# Altium PCB HYDRA_V3_NAV_CRIPPLED.PcbDoc (part 2 of 2)
Units mm, origin at the board's own origin, x right, y up, seen from the top; angles counter-clockwise.
Board outline 50 x 45 mm, 6 copper layers (Top Layer, GND 1, INT_SIG, GND 2, PWR, Bottom Layer), stack 0.816 mm thick; 161 components, 106 nets, 668 pads, 168 vias.
Unrouted connection lines stored in the file: 22.
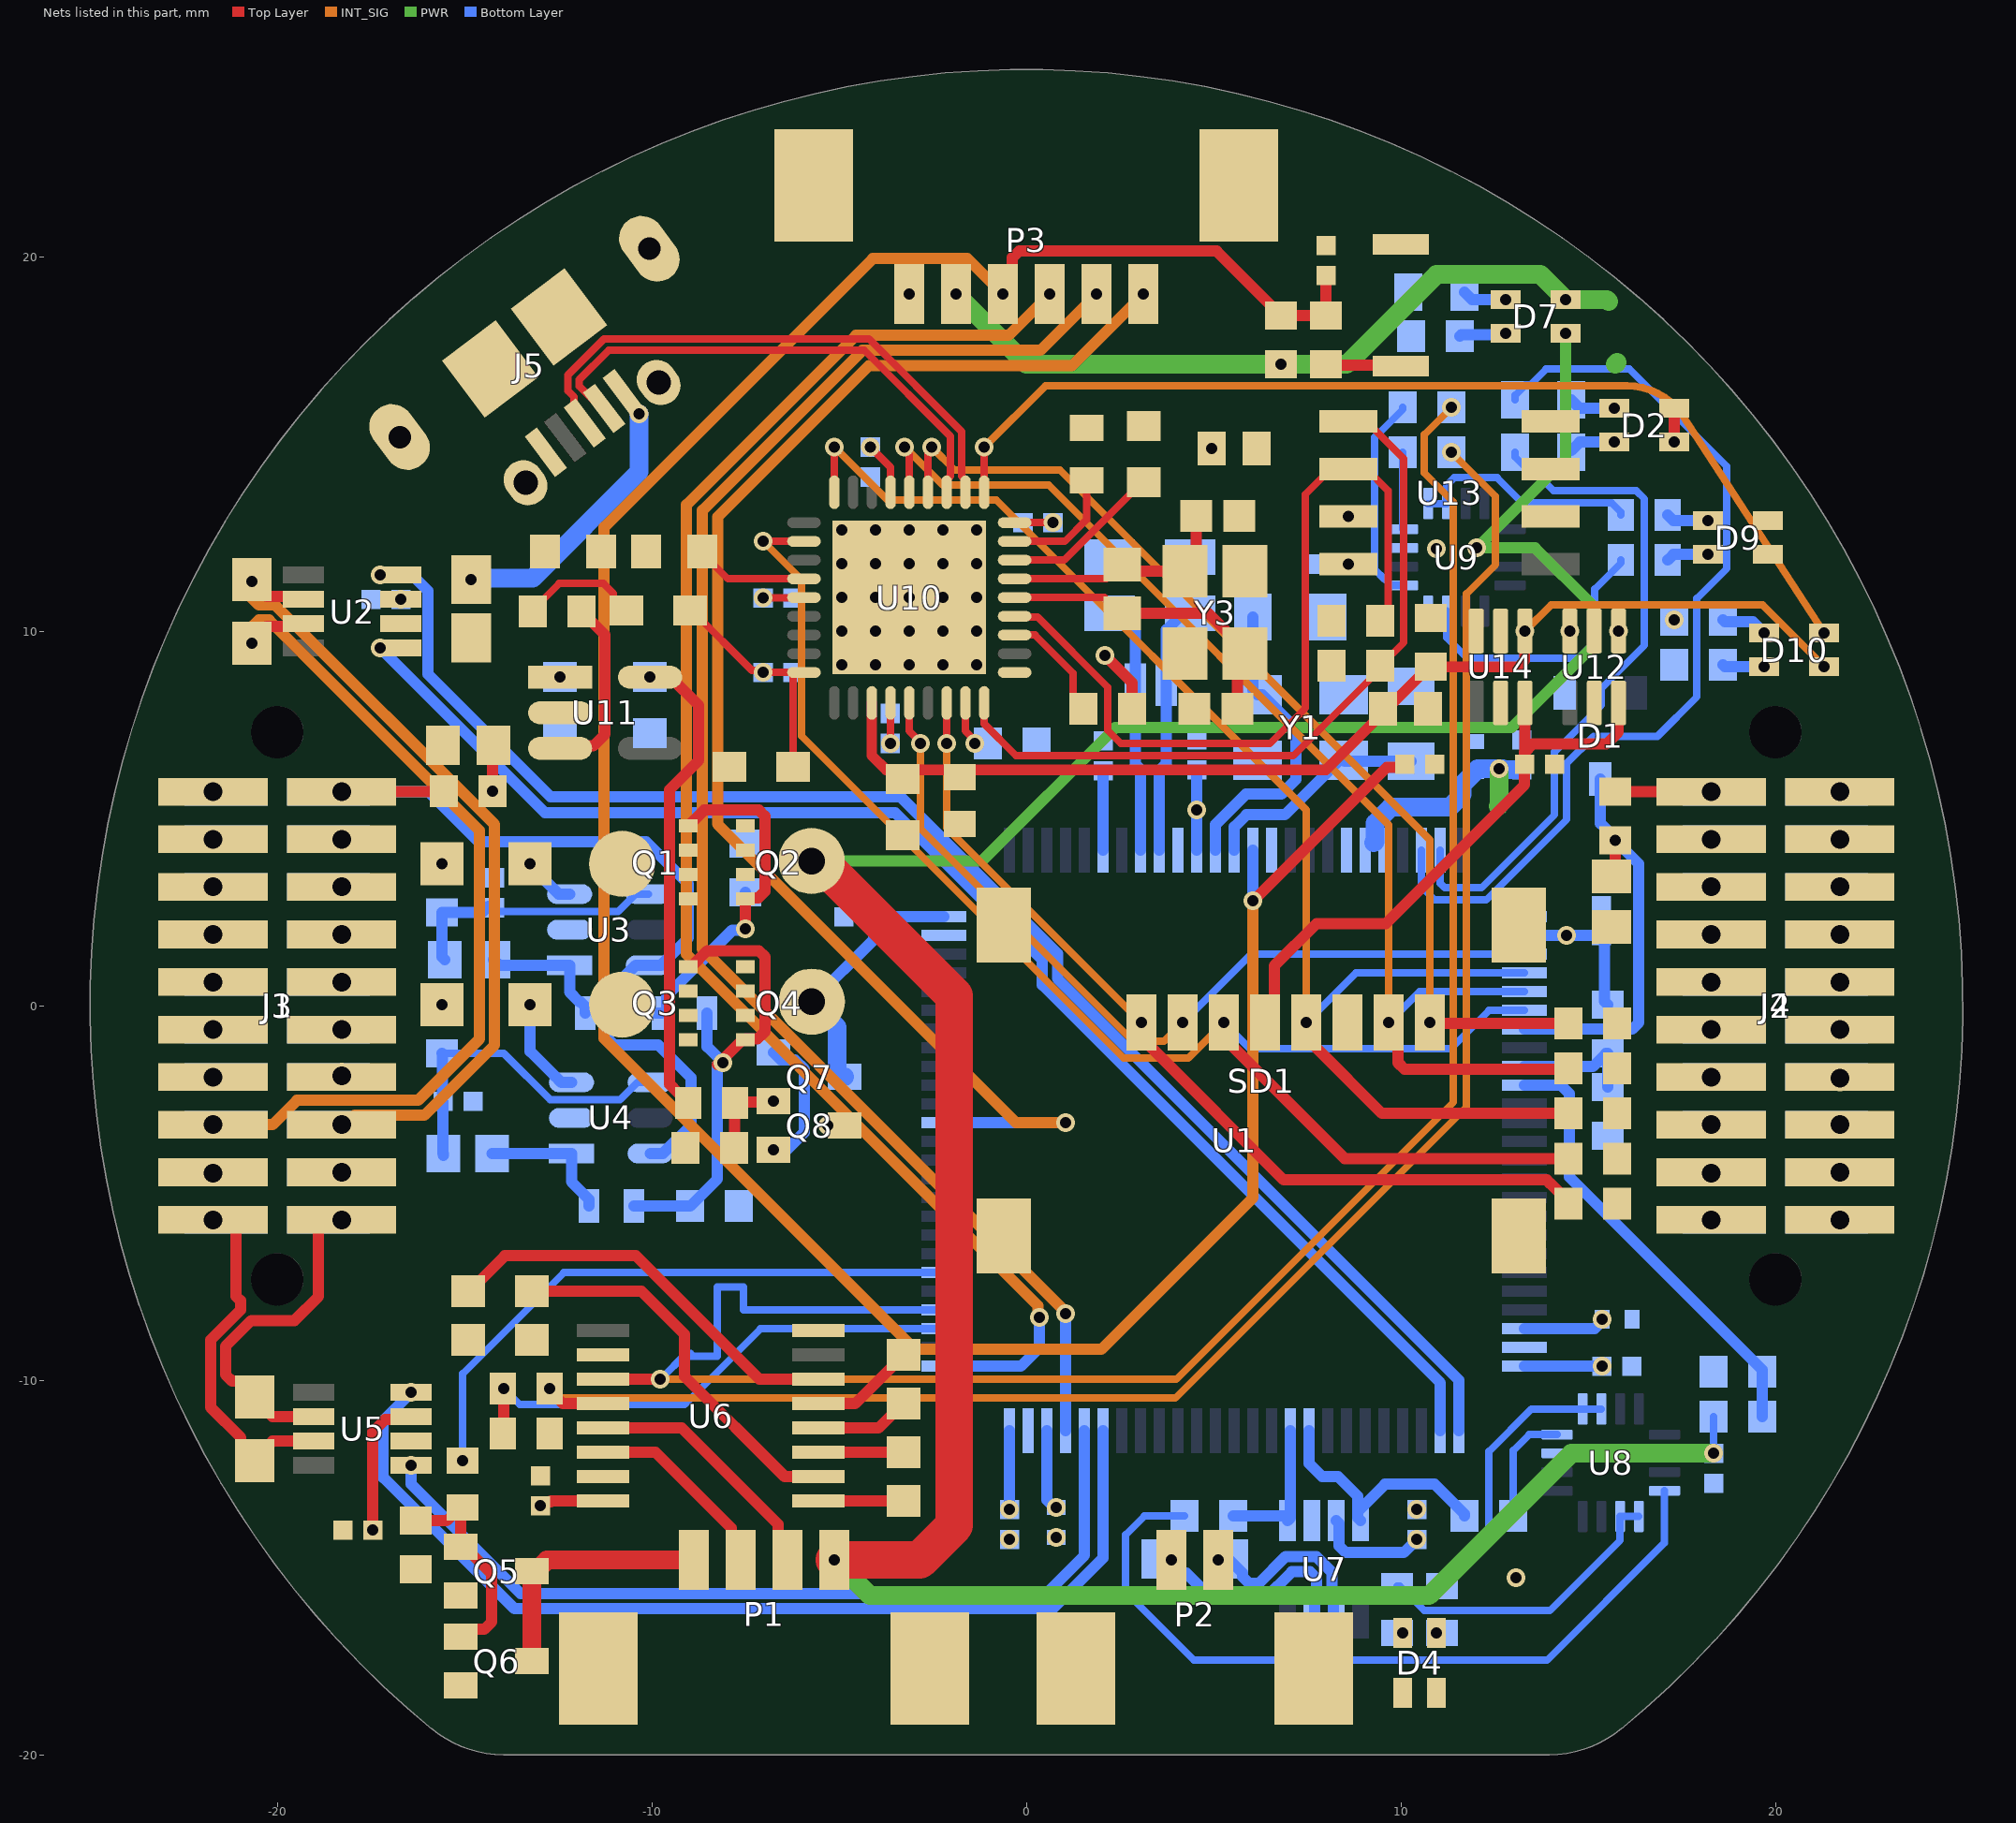
[diagram p6: the nets of this part, all layers, seen from the top]

## Part data (continued)
R43 R44: library part CMP-2100-03662-2, "RES SMD 100K OHM 1% 1/10W 0603", Case Code (Imperial)=0603, Case Code (Metric)=1608, Max Operating Temperature=155°C, Max Power Dissipation=100mW, Min Operating Temperature=-55°C, Resistance=100kR, Resistance Tolerance=1%, Resistor Type="Thick Film", Temperature Coefficient=100ppm/°C, Voltage Rating=50V, Working Voltage=75V, Case/Package=0603, Construction=Rectangular, Depth=0.8mm, Features="Moisture Resistant", Height=0.45mm, Lead Free="Lead Free", Length=1.6mm, Military Standard=Not, Number of Pins=2, Number of Terminations=2, Packaging="Tape and Reel", Power Rating=100mW, REACH SVHC="No SVHC", RoHS Compliant=Yes, Series=RC, Technology="THICK FILM", Termination=SMD/SMT, Tolerance=1%, Voltage Rating (DC)=50V, Width=0.8mm
R47: library part CMP-1659-00047-2, "Chip Resistor, 12 KOhm, +/- 1%, 100 mW, -55 to 155 degC, 0603 (1608 Metric), RoHS, Tape and Reel", Case Code (Imperial)=0603, Case Code (Metric)=1608, Max Operating Temperature="155 degC", Min Operating Temperature="-55 degC", Package Quantity=5000, Power Rating="100 mW", Resistance="12 kohm", Tolerance=1%, Voltage Rating="50 V", Case\Package=0603, ComponentLink1Description="Manufacturer URL", ComponentLink1URL=http://www.yageo.com/, ComponentLink2Description=Datasheet, ComponentLink2URL=http://www.yageo.com/documents/recent/PYu-RC_Group_51_RoHS_L_04.pdf, DatasheetVersion="Rev. 4, 02/2016", Height="0.45 mm", Length="1.6 mm", Mount="Surface Mount", PackageDescription="2-Pin Surface Mount Device, Body 1.6 x 0.8 mm", PackageReference=0603, Packaging="Tape and Reel", Pins=2, REACH SVHC="No SVHC", RoHSCompliant=true, Voltage Rating (DC)="50 V", Width="0.8 mm"
R50: library part CMP-2000-00336-1, Manufacturer=Panasonic, Part Number=ERJ3EKF2201V
SD1: library part CMP-2000-05245-1, "MicroSD Card Connector, Hinge Type, -40 to 85 degC, 8-Pin SMD, RoHS, Tape and Reel", Current Rating=500mA, Manufacturer=Molex, Voltage Rating=100VDC, Brand=Molex, Card Type=microSD, Contact Material=CopperAlloy, Datasheet URL=http://www.molex.com/pdm_docs/sd/472192001_sd.pdf, Datasheet Version="Rev. F, 06/2009", Factory Pack Quantity=2400, Housing Material=Thermoplastic, Insertion - Extraction Style=Hinged, Manufacturer URL=http://www.molex.com/, Mounting Style=SMD/SMT, Number Of Contacts=8, Packaging=Reel, Pitch=1.09mm, Product=CardConnectors, Product Category=MemoryCardConnectors, RoHS=Details, Series=47219, Termination Style=SMD
SW1: library part CMP-10040-000029-1, "SWITCH TACTILE SPST-NO 0.02A 15V", Current Rating=5A, Flammability Rating="UL94 V-0", Insulation Color=Black, Max Operating Temperature=85°C, Min Operating Temperature=-40°C, Operating Force=240gf, Actuator Type=Standard, Connector Type=USB, Contact Plating=Gold, Gender=Receptacle, Illumination Type=Non-Illuminated, Mechanical Life=500000Cycles, Mount="Surface Mount", Number Of Contacts=24, Number of Ports=1, Packaging="Tape and Reel", Switch Function=Off-Mom, Switch Travel=0.13mm, Termination=Solder, Throw Configuration=SPST
TP1 TP2 TP3 TP4 TP5 TP6 TP7 TP8 TP9 TP10 TP11 TP12 TP13 TP14 TP15: library part CMP-00028-00002-2, "0.6mm round", Pins=1
U1: library part CMP-020-00024-1, "MCU 32-bit ARM Cortex M7 RISC 1MB Flash 1.8V/2.5V/3.3V 100-Pin LQFP Tray"
U2 U5 U7: library part CMP-04872-000178-1, "IC TRANSCEIVER 1/1 SOT23-8", Case/Package=SOT-23-8, Max Operating Temperature=125°C, Min Operating Temperature=-40°C, Data Rate=1Mbps, Lead Free="Lead Free", Mount="Surface Mount", Packaging="Tape and Reel", RoHS Compliant=Yes
U3 U4: library part CMP-04896-000098-1, "40V, RAIL-TO-RAIL INPUT, PUSH-PU"
U6: library part CMP-05679-000039-1, "IC TXRX RS-232 LP 16-TSSOP", Manufacturer="Maxim Integrated", Max Supply Voltage=5.5V, Min Supply Voltage=3V, Nominal Supply Current=0.3mA, Package=U16-1, Temperature="-40°C to +85°C", Temperature Range High=+85°C, Temperature Range Low=-40°C, Automotive=No, Category=IC, ComponentLink2Description=Datasheet, ComponentLink2URL=https://datasheets.maximintegrated.com/en/ds/MAX3222-MAX3241.pdf, Data Rate=120kbits/s, Device Class L1="Integrated Circuits (ICs)", Device Class L2="Interface ICs", Device Class L3="RS-232 / RS-422 / RS-485 Interface ICs", Digikey Description="IC TXRX RS-232 LP 16-TSSOP", Footprint Url=https://pdfserv.maximintegrated.com/land_patterns/90-0117.PDF, Height=1.1mm, Interface=RS-232, Lead Free=Yes, Manufacturer Part Number=MAX3232EUE+T, Mouser Description="MAX3232 Series 235 kbps 5.5V Surface Mount RS-232 Transceiver - TSSOP-16", Number Of Receivers=2, Number Of Transmitters=2, Octopart=https://octopart.com/max3232eue%2Bt-maxim+integrated-39814427, RoHS=TRUE, Simplex Duplex="Full Duplex", Standoff Height=0.05mm
U8 U9: library part CMP-014-00004-1, "LM2902 Series 30 V 1.3 MHz Low-Power Quad Operational Amplifier - QFN-16 (3x3)"
U10: library part CMP-06284-000008-1, "IC USB FLASH MEDIA CTRLR 36QFN", Ambient Temperature Range High=+85°C, Ambient Temperature Range Low=-40°C, Manufacturer=Microchip, Max Supply Voltage=3.6V, Min Supply Voltage=3V, Nominal Supply Current=80-135mA, Package=36QFN-4106-6x6B, Temperature="-40°C to +85°C", Automotive=No, Category=IC, ComponentLink2Description=Datasheet, ComponentLink2URL=http://ww1.microchip.com/downloads/en/DeviceDoc/00001979A.pdf, Data Rate=35Mbits/s, Device Class L1="Integrated Circuits (ICs)", Device Class L2="Interface ICs", Device Class L3="USB Interface ICs", Digikey Description="IC USB FLASH MEDIA CTRLR 36QFN", Height=0.9mm, Interface=SPI,UART,USB, Ipc Land Pattern Name=QFN50P600X600X85-36, Lead Free=Yes, Manufacturer Part Number=USB2244I-AEZG-06-TR, Mouser Description="USB Interface IC USB 2.0 SD/MMC Flash Media Contrl", Octopart=https://octopart.com/usb2244i-aezg-06-tr-microchip-34964624, RoHS=TRUE, Standoff Height=0mm, Temperature Range High=+85°C, Temperature Range Low=-40°C, Usb Standard="USB 2.0"
U11: library part CMP-12756-000035-1, "IC REG LINEAR 3.3V 600MA SOT25", Case/Package=SOT-23-5, Dropout Voltage=250mV, Max Input Voltage=6V, Max Operating Temperature=85°C, Max Output Current=600mA, Min Input Voltage=2.5V, Min Operating Temperature=-40°C, Output Voltage=3.3V, Package Quantity=1, Quiescent Current=55uA, Accuracy=1.5%, Height=1.3mm, Lead Free="Lead Free", Length=3.1mm, Mount="Surface Mount", Number of Outputs=1, Number of Pins=5, Number of Regulators=1, Output Current=600mA, Output Type=Fixed, Packaging="Tape and Reel", Polarity=Positive, Width=1.7mm
U12 U14: library part CMP-004-00039-1, "1.5-V to 5.5-V, 1.5-A, 0.5-uA IQ ideal diode with Integrated FET 6-SC70 -40 to 105"
U13: library part CMP-06313-000074-1, "IC EEPROM 4K I2C 1MHZ 8SOIC", Case/Package=SOIC, Frequency=1MHz, Max Operating Temperature=85°C, Min Operating Temperature=-40°C, Access Time=550ns, Memory Size=4Kb, Memory Type=Non-Volatile, Mount="Surface Mount", Number of Pins=8, Packaging="Tape and Reel", RoHS Compliant=Yes
Y1: library part CMP-27762-011708-1, "Crystal 48MHz ±20ppm 18pF SMD-4 3.2mm x 2.5mm", Case/Package=CSMD, ESR (Equivalent Series Resistance)=35R, Frequency=48MHz, Frequency Stability=50ppm, Frequency Tolerance=20ppm, Load Capacitance=18pF, Max Operating Temperature=70°C, Min Operating Temperature=-20°C, Operating Frequency="48 MHz", Package Quantity=1000, Resistor Type=Ceramic, Depth=2.5mm, Height=0.031inch, Lead Free="Lead Free", Length=3.2mm, Mount="Surface Mount", Number of Pins=4, Packaging="Tape and Reel", Radiation Hardening=No, REACH SVHC="No SVHC", RoHS Compliant=Yes, Series=ABM8, Series Resistance=35R, Termination=SMD/SMT, Tolerance=20ppm, Width=0.098inch
Y2: library part CMP-40224-000006-1, "CRYSTAL 32.7680KHZ 12.5PF SMD", Frequency=32.768kHz, Load Capacitance=12.5pF, Manufacturer="ECS International", Package=ECX-1210, Temperature="-40°C to +85°C", Temperature Range High=+85°C, Temperature Range Low=-40°C, Tolerance=20ppm, Automotive=No, Category=Crys, ComponentLink2Description=Datasheet, ComponentLink2URL=https://ecsxtal.com/store/pdf/ECX-1210.pdf, Device Class L1="Passive Components", Device Class L2="Crystals / Oscillators", Device Class L3=Crystals, Digikey Description="CRYSTAL 32.7680KHZ 12.5PF SMD", Esr=90kΩ, Height=0.5mm, Lead Free=Yes, Manufacturer Part Number=ECS-.327-12.5-1210-TR, Octopart=https://octopart.com/ecs-.327-12.5-1210-tr-ecs+international-81221340, RoHS=TRUE, Series=ECX-1210
Y3: library part CMP-27762-015716-1, "Crystal 24MHz ±20ppm (Tol) ±50ppm (Stability) 12pF FUND 50Ω Automotive 4-Pin Ultra Mini-CSMD T/R", Case/Package=SMD/SMT, ESR (Equivalent Series Resistance)=50R, Frequency=24MHz, Frequency Stability=50ppm, Frequency Tolerance=20ppm, Load Capacitance=12pF, Max Operating Temperature=125°C, Min Operating Temperature=-40°C, Ratings=AEC-Q200, Height=0.031inch, Length=0.126inch, Mount="Surface Mount", Packaging="Cut Tape", RoHS Compliant=Yes, Series=ABM8AIG, Width=0.098inch

## Via types
v1: diameter 0.5, hole 0.3, Top Layer to Bottom Layer, 126 vias
v2: diameter 0.7, hole 0.5, Top Layer to Bottom Layer, 40 vias
v3: diameter 1.27, hole 0.711, Top Layer to Bottom Layer, 2 vias

## Nets (pads, with @x,y where several pads share a name; then routed paths per layer and width w, separated by ;. In a path a pad name is that pad's centre, name@x,y a point inside that pad or via, vN(x,y) a via of type N, cw(c..) or ccw(c..) an arc to the next point about the centre after c; other vN are vias at no path point)
3V3: C1.2 C2.2 C3.1 C5.2 C7.2 C8.2 C9.2 C10.1 C11.2 C12.2 C17.2 C21.1 C27.2 D2.2 D2.3 D7.3 P3.5 Q4.5-6-7-8 Q7.3 R2.2 R22.1 TP4.1 U1.11 U1.20 U1.21 U1.27 U1.48 U1.50 U1.73 U1.75 U1.100 U2.3 U5.3 U6.16 U7.3 U12.1 | length 56.9
  Top Layer w0.3: v1(-17.45,-14) -17.45,-11.375 -17.125,-11.05 -16.5,-11.05 U5.3@-16.425,-10.975 ; v1(-12.975,-13.35) -12.865,-13.24 -12.704,-13.24 -12.689,-13.225 U6.16@-11.3,-13.225 ; v1(17.3,15.05) D2.3@17.3,15.95
  PWR w0.5: v1(-1.875,19) 0,17.125 v1(6.8,17.125) 8.55,17.125 10.95,19.525 13.725,19.525 v1(14.4,18.85) 15.5,18.85 15.55,18.8 ; 12.6,5.325 12.625,5.35 v1(12.625,6.325) ; 15.725,17.125 15.775,17.175
  Bottom Layer w0.3: v3(-5.733,0.108) -4.075,1.765 C1.2@-4.075,2.375 U1.100@-2.2,2.375 ; v1(-0.45,-13.45) U1.75@-0.45,-11.35 ; U1.73@0.55,-11.35 0.55,-13.2 0.75,-13.4 v1(0.8,-13.4) ; U1.11@4.55,4.15 C5.2@4.55,6.3 ; U7.3@8.275,-13.75 8.35,-13.825 8.35,-14.424 8.526,-14.6 10.075,-14.6 v1(10.425,-14.25) ; U1.50@13.3,-9.625 13.75,-9.625 v1(15.365,-9.625) ; U1.48@13.3,-8.625 15.165,-8.625 15.365,-8.425 v1(15.365,-8.375) ; U1.27@13.3,1.875 13.75,1.875 v1(14.425,1.875) C11.2@15.1,1.875 ; C11.2@15.35,1.875 15.438,1.787 15.438,0.113 R2.2@15.525,0.025
  Bottom Layer w0.5: v3(-5.733,0.108) -5.05,-0.575 -5.05,-1.8 -4.95,-1.9 Q7.3@-4.85,-1.9 ; 9.275,4.35 9.305,4.38 9.305,4.88 9.725,5.3 11.3,5.3 11.637,5.637 11.637,5.912 12.05,6.325 v1(12.625,6.325) 12.725,6.325 12.74,6.31 13.215,6.31 C7.2@13.225,6.3
  other v1: 4.55,5.225 15.81,10.005 -16.7,10.85
3V3_CUTOFF_MOSFET: D6.C D8.A Q3.4 Q4.4 R13.2 | length 13.2
  Top Layer w0.3: Q3.4@-9.025,1.043 -9,1.068 -8.925,1.068 -8.521,1.472 -7.146,1.472 -6.982,1.307 -6.982,-0.686 -7.176,-0.88 -7.475,-0.88 Q4.4@-7.5,-0.905 -7.575,-0.905 -8.245,-1.575 v1@-8.25,-1.575
  Bottom Layer w0.3: D6.C@-10.475,-5.35 R13.2@-8.975,-5.35 -8.25,-4.625 v1@-8.25,-1.575 ; D8.A@-8.525,-0.2 -8.525,-1.093 v1(-8.1,-1.518) ; v1@-8.171,-1.496 v1@-8.1,-1.568 ; v1@-8.171,-1.421 v1@-8.1,-1.493
3V3_OC_TP: D6.A R17.1 TP10.1 U4.1 | length 3.7
  Bottom Layer w0.3: R17.1@-14.273,-3.945 U4.1@-12.148,-3.945 -12.148,-4.702 -11.675,-5.175 D6.A@-11.675,-5.35
3V3_POST_SHUNT: Q3.5-6-7-8 R15.2 U4.3 | length 2.7
  Bottom Layer w0.3: v1(-13.25,0.03) -13.25,-1.219 -12.601,-1.868 -12.424,-2.045 U4.3@-12.148,-2.045
3V3_PRE_SHUNT: J1.09 J1.10 J1.11 J1.12 J3.09 J3.10 J3.11 J3.12 R15.1 R16.2
  other v1: -15.6,0.03
  other v2: -21.715,-0.635 -18.285,-0.635 -21.715,0.635 -18.285,0.635
3V3_SENSE: R2.1 R6.2 U1.34 | length 3.3
  Bottom Layer w0.3: U1.34@13.3,-1.625 15.125,-1.625 15.475,-1.275 R2.1@15.525,-1.275 R6.2@15.525,-2.175
5V: C28.2 D7.2 P1.4 Q2.5-6-7-8 R1.2 TP1.1 U8.2 U9.2 | length 86.4
  Top Layer w1: v3(-5.735,3.865) -5.527,3.865 -1.925,0.263 -1.925,-4.899 -1.927,-4.901 -1.927,-13.877 -2.85,-14.8 v1(-5.125,-14.8)
  PWR w0.3: v3(-5.735,3.865) -1.185,3.865 2.375,7.425 12.95,7.425 15.11,9.585 15.11,10.695 13.58,12.225 v1(12.025,12.225) 14.4,14.6 v1(14.4,17.95)
  PWR w0.5: v1(-5.125,-14.8) -4.175,-15.75 10.75,-15.75 14.55,-11.95 v1(18.35,-11.95)
  Bottom Layer w0.2: U8.2@17.035,-11.95 v1(18.35,-11.95) R1.2@18.35,-10.975
  Bottom Layer w0.3: v1(12.025,12.225) U9.2@12.91,12.225
5V_CUTOFF_MOSFET: D5.C D8.C Q1.4 Q2.4 R9.2 | length 10.9
  Top Layer w0.3: Q1.4@-9.027,4.803 -8.952,4.803 -8.927,4.828 -8.927,4.903 -8.601,5.229 -7.148,5.229 -6.984,5.065 -6.984,3.053 -7.16,2.878 -7.477,2.878 Q2.4@-7.502,2.853 -7.501,2.851 -7.501,2.051 v1(-7.5,2.05)
  Bottom Layer w0.3: D5.C@-10.575,-0.2 D8.C@-9.725,-0.2 -9.6,-0.075 -9.6,0.275 -7.857,2.018 -7.532,2.018 v1(-7.5,2.05) -7.501,2.051 -7.501,3.026 R9.2@-7.502,3.028
5V_OC_TP: D5.A R14.1 TP9.1 U3.1 | length 3.6
  Bottom Layer w0.3: R14.1@-14.225,1.225 -14.08,1.08 U3.1@-12.198,1.08 -12.198,0.365 -11.933,0.1 -11.9,0.1 -11.775,-0.025 D5.A@-11.775,-0.2
5V_POST_SHUNT: Q1.5-6-7-8 R11.2 U3.3 | length 1.4
  Bottom Layer w0.3: v1(-13.253,3.79) -13.253,3.743 -12.489,2.98 U3.3@-12.198,2.98
5V_PRE_SHUNT: J1.03 J1.04 J1.05 J1.06 J3.03 J3.04 J3.05 J3.06 R11.1 R12.2
  other v1: -15.603,3.79
  other v2: -21.715,3.175 -18.285,3.175 -21.715,4.445 -18.285,4.445
5V_SENSE: R1.1 R5.2 U1.35 | length 12.1
  Bottom Layer w0.3: U1.35@13.3,-2.125 14.275,-2.125 14.5,-2.35 14.5,-4.575 19.65,-9.725 R5.2@19.65,-9.775 R1.1@19.65,-10.975
5V_USB: C29.1 C40.1 FB1.1 R43.1 R53.2 U11.1 | length 3.2
  Top Layer w0.2: R53.2@-13.175,10.525 -13.175,10.575 -12.475,11.275 -11.292,11.275 -11.025,11.008 -11.025,10.85 -10.725,10.55 R43.1@-10.675,10.55
  other v1: -12.451,8.775
CAN0_N: J1.16 J3.16 R10.1 TP11.1 U2.6 | length 21.9
  Top Layer w0.3: R10.1@-20.675,11.375 v1(-20.675,11.325) -20.275,10.925 -19.375,10.925 U2.6@-19.3,10.85
  INT_SIG w0.3: v1(-20.675,11.325) -20.675,10.877 -20.499,10.701 -20.058,10.701 -14.2,4.843 -14.2,-1.05 -16.077,-2.927 -17.928,-2.927 -18.177,-3.175 v2(-18.285,-3.175)
CAN0_P: J1.15 J3.15 R10.2 TP7.1 U2.7 | length 24.2
  Top Layer w0.3: v1(-20.675,9.675) -20.675,9.725 -20.275,10.125 -19.375,10.125 U2.7@-19.3,10.2
  INT_SIG w0.3: v2(-21.715,-3.175) -20.128,-3.175 -19.478,-2.525 -18.446,-2.525 -17.928,-2.525 -16.243,-2.525 -14.602,-0.884 -14.602,4.677 -20.224,10.299 -20.499,10.299 -20.675,10.123 v1(-20.675,9.675)
CAN1_N: J1.20 J3.20 R21.1 TP12.1 U5.6 | length 9.2
  Top Layer w0.3: U5.6@-19.025,-10.975 -20.125,-10.975 -20.6,-10.5 R21.1@-20.6,-10.45 -20.6,-10.4 -20.975,-10.025 -21.207,-10.025 -21.383,-9.849 -21.383,-9.092 -20.696,-8.405 -19.544,-8.405 -18.9,-7.761 -18.9,-5.935 -18.68,-5.715 v2(-18.285,-5.715)
CAN1_P: J1.19 J3.19 R21.2 TP8.1 U5.7 | length 9.6
  Top Layer w0.3: v2(-21.715,-5.715) -21.32,-5.715 -21.1,-5.935 -21.1,-7.761 -20.984,-7.876 -20.984,-8.125 -21.785,-8.925 -21.785,-10.721 -20.975,-11.531 -20.975,-11.775 R21.2@-20.6,-12.15 -20.6,-12.1 -20.125,-11.625 U5.7@-19.025,-11.625
CAN1_RX: U1.70 U5.4 | length 27.2
  Bottom Layer w0.3: v1(-16.425,-10.325) -17.175,-11.075 -17.175,-12.593 -13.668,-16.1 0.693,-16.1 2.05,-14.743 U1.70@2.05,-11.35
CAN1_TX: U1.71 U5.1 | length 23.4
  Bottom Layer w0.3: v1(-16.425,-12.275) -16.425,-12.775 -13.502,-15.698 0.527,-15.698 1.55,-14.675 U1.71@1.55,-11.35
CAN2_N: P2.2 R33.1 TP15.1 U7.6 | length 5.1
  Bottom Layer w0.3: v1(5.125,-14.8) 5.425,-14.8 5.775,-15.15 5.775,-15.251 5.951,-15.427 6.199,-15.427 6.917,-14.709 7.74,-14.709 8.151,-15.12 8.151,-15.535 8.2,-15.584 8.2,-16.275 U7.6@8.275,-16.35
CAN2_P: P2.1 R33.2 TP13.1 U7.7 | length 5.9
  Bottom Layer w0.3: v1(3.875,-14.8) 3.875,-14.95 4.075,-15.15 4.269,-15.15 4.948,-15.829 6.366,-15.829 7.083,-15.111 7.573,-15.111 7.749,-15.287 7.749,-15.587 7.7,-15.636 7.7,-16.275 U7.7@7.625,-16.35
CAN2_RX: U1.51 U2.4 | length 40.8
  Bottom Layer w0.3: v1(-17.25,11.5) -16.4,11.5 -15.975,11.075 -15.975,8.85 -12.7,5.575 -3.357,5.575 0.827,1.391 0.827,0.723 11.55,-10 U1.51@11.55,-11.35
CAN2_TX: U1.52 U2.1 | length 38.1
  Bottom Layer w0.3: v1(-17.25,9.55) -12.85,5.15 -3.5,5.15 0.425,1.225 0.425,0.557 11.05,-10.068 U1.52@11.05,-11.35
CAN3_RX: R36.1 U1.59 U7.4 | length 6.8
  Bottom Layer w0.3: U1.59@7.55,-11.35 7.55,-12.225 7.9,-12.575 8.325,-12.575 8.85,-13.1 U7.4@8.85,-13.5 ; U7.4@8.925,-13.75 8.85,-13.675 U7.4@8.85,-13.5 ; R36.1@11.7,-13.625 11.7,-13.575 10.9,-12.775 9.575,-12.775 U7.4@8.85,-13.5
CAN3_TX: R38.2 U1.60 U7.1 | length 4
  Bottom Layer w0.3: R38.2@5.525,-13.625 6.9,-13.625 6.975,-13.7 U7.1@6.975,-13.75 7.05,-13.675 U1.60@7.05,-11.35
CRD_PWR: C38.1 C39.1 D10.2 R50.2 R55.2 U10.21 U14.1 | length 30
  Top Layer w0.28: U10.21@-4.128,8.086 -4.128,6.678 -3.75,6.3 8,6.3 9.5,7.8 10.75,9.05 13.138,9.05 13.302,9.214 13.302,9.997 v1(13.31,10.005)
  INT_SIG w0.2: v1(13.31,10.005) 14.005,10.7 19.657,10.7 21.3,9.057 v1(21.3,9.05)
EEPROM_SCL: R45.1 U10.31 U13.6 | length 22.2
  Top Layer w0.2: U10.31@-0.316,10.399 -0.301,10.384 0.291,10.384 2.175,8.5 2.175,7.35 2.525,7 6.5,7 7.45,7.95 7.45,13.66 8.125,14.335 U13.6@8.6,14.335 9.075,14.335 9.66,13.75 9.66,10.485 R45.1@9.45,10.275
EEPROM_SDA: R48.1 U10.27 U13.5 | length 20.2
  Top Layer w0.2: U10.27@-1.128,8.086 -1.128,7.528 -0.275,6.675 7.125,6.675 R48.1@9.487,9.038 ; U13.5@8.6,15.605 9.075,15.605 10.075,14.605 10.075,9.7 9.775,9.4 9.725,9.4 9.45,9.125 R48.1@9.45,9.075
G_LED: R18.2 U1.24 | length 18.3
  Bottom Layer w0.2: U1.24@11.05,4.15 11.05,3.267 11.167,3.15 12.15,3.15 14.1,5.1 14.1,6.775 15.35,8.025 15.35,8.475 16.5,9.625 16.5,13.535 16.285,13.75 14.075,13.75 13.45,14.375 13.325,14.375 13.05,14.65 R18.2@13.05,14.775
GND: C1.1 C2.1 C3.2 C4.1 C5.1 C6.2 C7.1 C8.1 C9.1 C10.2 C11.1 C12.1 C13.1 C14.1 C15.2 C16.2 C17.1 C18.2 C19.2 C20.2 C21.2 C22.2 C24.2 C26.2 C27.1 C28.1 C29.2 C30.1 C31.2 C32.1 C33.1 C34.1 C35.2 C36.2 C37.1 C38.2 C39.2 C40.2 C41.2 C42.1 C43.1 C44.1 D1.1 D4.1 D4.4 D9.1 D9.4 J1.07 J1.08 J1.13 J1.14 J1.17 J1.18 J2.09 J2.10 J2.11 J2.12 J2.13 J2.14 J2.15 J2.16 J2.17 J2.18 J2.19 J2.20 J3.07 J3.08 J3.13 J3.14 J3.17 J3.18 J4.09 J4.10 J4.11 J4.12 J4.13 J4.14 J4.15 J4.16 J4.17 J4.18 J4.19 J4.20 J5.5 J5.6 J5.7 J5.8 J5.9 J5.10 J5.11 P1.MP1 P1.MP2 P2.MP1 P2.MP2 P3.6 P3.S1 P3.S2 Q5.2 Q6.2 R5.1 R6.1 R7.1 R8.1 R9.1 R13.1 R23.2 R24.2 R26.1 R28.1 R44.1 R46.1 R47.1 R50.1 R51.2 R52.2 R55.1 R57.1 SD1.6 SD1.9 SD1.10 SD1.11 SD1.12 SW1.2 TP5.1 TP6.1 TP14.1 U1.10 U1.19 U1.26 U1.49 U1.74 U1.99 U2.2 U3.2 U4.2 U5.2 U6.8 U6.10 U6.15 U7.2 U8.11 U9.11 U10.28 U10.37 U11.2 U12.2 U12.5 U13.2 U13.3 U13.4 U13.7 U14.2 U14.3 U14.5 Y1.2 Y1.4 Y3.2 Y3.4
  other v1: 13.075,-15.275 -0.45,-14.25 0.8,-14.2 10.425,-13.45 -4.928,9.099 -4.028,9.099 -3.128,9.099 -2.228,9.099 -1.328,9.099 -4.928,9.999 -4.028,9.999 -3.128,9.999 -2.228,9.999 -1.328,9.999 17.3,10.3 -4.928,10.899 -4.028,10.899 -3.128,10.899 -2.228,10.899 -1.328,10.899 -4.928,11.799 -4.028,11.799 -3.128,11.799 -2.228,11.799 -1.328,11.799 10.95,12.2 -4.928,12.699 -4.028,12.699 -3.128,12.699 -2.228,12.699 -1.328,12.699 8.6,13.065 -3.125,19
  other v2: 18.285,-5.715 21.715,-5.715 -21.715,-4.475 18.285,-4.475 -18.285,-4.445 21.715,-4.445 18.285,-3.175 21.715,-3.175 21.715,-1.933 -21.715,-1.905 18.285,-1.905 -18.285,-1.875 18.285,-0.635 21.715,-0.635 18.285,0.635 21.715,0.635 -21.715,1.905 -18.285,1.905
NetC15_1: C15.1 R12.1 R14.2 U3.4 | length 6.9
  Bottom Layer w0.2: C15.1@-14.2,2.615 -14.098,2.513 -10.901,2.513 -10.435,2.98 U3.4@-10.097,2.98
  Bottom Layer w0.3: R14.2@-15.525,1.225 -15.603,1.303 R12.1@-15.603,2.49 -14.537,2.49 C15.1@-14.372,2.655
NetC16_1: C16.1 R16.1 R17.2 U4.4 | length 9
  Bottom Layer w0.2: R16.1@-15.6,-1.27 -13.955,-1.27 -12.713,-2.512 -10.851,-2.512 -10.385,-2.045 U4.4@-10.047,-2.045
  Bottom Layer w0.3: R16.1@-15.6,-1.27 -15.587,-1.282 -15.587,-2.538 C16.1@-15.575,-2.55 -15.575,-3.943 R17.2@-15.573,-3.945 R17.2@-15.573,-3.995
NetC22_1: C22.1 U6.2 | length 10.4
  Top Layer w0.3: C22.1@-13.2,-7.625 -10.275,-7.625 -9.125,-8.775 -9.125,-9.9 -6.456,-12.569 -5.556,-12.569 U6.2@-5.55,-12.575
NetC23_1: C23.1 U6.3 | length 2.3
  Top Layer w0.3: U6.3@-5.55,-11.925 C23.1@-3.275,-11.925
NetC23_2: C23.2 U6.1 | length 2.3
  Top Layer w0.3: U6.1@-5.55,-13.225 C23.2@-3.275,-13.225
NetC24_1: C24.1 U6.6 | length 11.1
  Top Layer w0.3: C24.1@-14.9,-7.625 -14.875,-7.625 -13.925,-6.675 -10.425,-6.675 -7.125,-9.975 U6.6@-5.55,-9.975
NetC25_1: C25.1 U6.5 | length 2.8
  Top Layer w0.3: U6.5@-5.55,-10.625 -4.575,-10.625 -3.575,-9.625 -3.575,-9.6 -3.3,-9.325 C25.1@-3.275,-9.325
NetC25_2: C25.2 U6.4 | length 2.5
  Top Layer w0.3: U6.4@-5.55,-11.275 -3.95,-11.275 -3.3,-10.625 C25.2@-3.275,-10.625
NetD2_1: D2.1 R18.1 | length 1.2
  Bottom Layer w0.3: R18.1@14.55,14.825 14.775,15.05 v1(15.7,15.05)
NetD2_4: D2.4 R19.1 | length 1.2
  Bottom Layer w0.3: R19.1@14.55,16.175 14.775,15.95 v1(15.7,15.95)
NetD4_2: D4.2 R35.2
  other v1: 10.95,-16.75
NetD4_3: D4.3 R37.2
  other v1: 10.05,-16.75
NetD7_1: D7.1 R23.1 | length 1.3
  Bottom Layer w0.3: R23.1@11.575,17.875 11.613,17.912 12.762,17.912 v1(12.8,17.95)
NetD7_4: D7.4 R24.1 | length 1.2
  Bottom Layer w0.3: R24.1@11.7,19.05 11.9,18.85 v1(12.8,18.85)
NetD9_2: D9.2 R39.2 | length 1.1
  Bottom Layer w0.3: R39.2@17.125,13.1 17.275,12.95 v1(18.2,12.95)
NetD9_3: D9.3 R41.2 | length 1.1
  Bottom Layer w0.3: R41.2@17.125,11.9 17.275,12.05 v1(18.2,12.05)
NetD10_1: D10.1 R51.1 | length 1.1
  Bottom Layer w0.3: R51.1@18.6,9.1 18.65,9.05 v1(19.7,9.05)
NetD10_4: D10.4 R52.1 | length 1.2
  Bottom Layer w0.3: R52.1@18.6,10.3 18.65,10.25 19.4,10.25 v1(19.7,9.95)
NetFB1_2: FB1.2 J5.1 | length 7.2
  Bottom Layer w0.5: v1(-14.825,11.375) -14.787,11.413 -13.187,11.413 -10.348,14.252 v1(-10.348,15.805)
NetQ1_1: Q1.1 Q1.2 Q1.3 Q2.1 Q2.2 Q2.3
NetQ3_1: Q3.1 Q3.2 Q3.3 Q4.1 Q4.2 Q4.3
NetQ5_1: Q5.1 Q6.1 R27.2 R28.2 | length 5.5
  Top Layer w0.3: R28.2@-16.3,-13.75 -15.475,-13.75 -15.125,-13.4 R27.2@-15.05,-13.4 ; Q6.1@-15.1,-16.85 -14.9,-16.65 -14.475,-16.65 -14.275,-16.45 -14.275,-15.175 -15,-14.45 Q5.1@-15.1,-14.45 R27.2@-15.1,-13.701
NetQ7_2: Q7.2 Q8.2 | length 3.7
  Bottom Layer w0.3: v1(-6.75,-3.85) -6.73,-3.83 -6.38,-3.83 -5.932,-3.382 -5.932,-1.693 -6.175,-1.45 -6.55,-1.45 Q7.2@-6.75,-1.25
NetR20_2: R20.2 SW1.1 | length 2
  Top Layer w0.3: R20.2@8,17.125 8.025,17.1 9.975,17.1 SW1.1@10,17.075
NetR35_1: R35.1 U8.13 U8.14 | length 7.6
  Bottom Layer w0.2: R35.1@11.1,-15.5 11.175,-15.5 11.425,-15.25 11.425,-15.175 12.35,-14.25 12.35,-11.9 13.485,-10.765 U8.13@14.85,-10.765 U8.14@15.35,-10.765
NetR36_2: R36.2 U8.12 | length 3.1
  Bottom Layer w0.2: R36.2@13,-13.625 13,-11.875 13.425,-11.45 U8.12@14.165,-11.45
NetR37_1: R37.1 U8.5 U8.6 | length 8.1
  Bottom Layer w0.2: R37.1@9.9,-15.5 9.975,-15.5 10.625,-16.15 13.975,-16.15 15.85,-14.275 U8.6@15.85,-13.635 U8.5@16.35,-13.635
NetR38_1: R38.1 U8.4 | length 21.1
  Bottom Layer w0.2: R38.1@4.225,-13.625 3.15,-13.625 2.65,-14.125 2.65,-15.65 4.475,-17.475 13.9,-17.475 17.035,-14.34 U8.4@17.035,-12.95
NetR39_1: R39.1 U9.13 U9.14 | length 6.2
  Bottom Layer w0.2: U9.13@10.725,13.41 U9.14@11.225,13.41 11.225,13.908 11.417,14.1 12.565,14.1 13.24,13.425 15.625,13.425 15.875,13.175 R39.1@15.875,13.1
NetR40_2: R40.2 U9.12 | length 2.1
  Bottom Layer w0.2: U9.12@10.04,12.725 10.04,14.765 R40.2@10.05,14.775
NetR41_1: R41.1 U9.7 U9.8 | length 8
  Bottom Layer w0.2: U9.8@10.725,10.54 U9.7@11.225,10.54 11.225,9.825 11.775,9.275 14.725,9.275 15.175,9.725 15.175,11.125 15.875,11.825 R41.1@15.875,11.9
NetR42_1: R42.1 U9.9 | length 5.6
  Bottom Layer w0.2: U9.9@10.04,11.225 9.75,11.225 9.582,11.393 9.556,11.393 9.3,11.649 9.3,15.175 10.05,15.925 R42.1@10.05,15.975
NetR47_2: R47.2 U10.35 | length 3.2
  Top Layer w0.2: U10.35@-0.316,12.399 1.024,12.399 1.609,12.984 R47.2@1.609,14.024
NetR53_1: R53.1 U11.3 | length 4.9
  Top Layer w0.3: U11.3@-12.451,6.875 -12.391,6.935 -11.565,6.935 -11.251,7.249 -11.251,9.901 -11.6,10.25 -11.65,10.25 -11.875,10.475 R53.1@-11.875,10.525
nRESET: C30.2 R43.2 R44.2 U10.18 | length 6.3
  Top Layer w0.2: R43.2@-8.975,10.55 -8.925,10.55 -7.331,8.956 -7.086,8.956 v1(-7.029,8.899) U10.18@-6.188,8.899 ; R44.2@-6.225,6.375 -6.225,8.862 U10.18@-6.188,8.899 ; U10.18@-5.941,8.899 U10.18@-6.188,8.899
PRE_SBG_RX: R25.2 R40.1 U6.12 | length 47.7
  Top Layer w0.3: R25.2@-12.7,-10.225 -12.7,-10.3 -12.375,-10.625 U6.12@-11.3,-10.625
  INT_SIG w0.2: v1(-12.725,-10.225) -12.708,-10.225 -12.458,-10.475 3.975,-10.475 11.75,-2.7 11.75,11 12.525,11.775 12.525,13.6 v1(11.35,14.775)
PYRO_PWR: J2.01 J2.02 J2.03 J2.04 J2.05 J2.06 J2.07 J2.08 J4.01 J4.02 J4.03 J4.04 J4.05 J4.06 J4.07 J4.08 R4.2 TP3.1 | length 2.6
  Top Layer w0.3: R4.2@15.725,5.715 v2(18.285,5.715)
  other v2: 18.285,1.905 21.715,1.905 18.285,3.175 21.715,3.175 18.285,4.445 21.715,4.445 21.715,5.715
PYRO_PWR_SENSE: D1.3 R4.1 R8.2 U1.32 | length 11.1
  Top Layer w0.3: R8.2@15.625,3.45 15.725,3.55 v1(15.725,4.415)
  Bottom Layer w0.3: U1.32@13.3,-0.625 16.174,-0.625 16.35,-0.449 16.35,3.79 v1(15.725,4.415) 15.725,4.469 15.325,4.869 D1.3@15.325,6.05
R_LED: R19.2 U1.23 | length 25.2
  Bottom Layer w0.2: U1.23@10.55,4.15 10.55,3.175 10.9,2.825 12.275,2.825 14.425,4.975 14.425,6.476 15.144,7.195 16.845,7.195 17.9,8.25 17.9,10.875 18.7,11.675 18.7,14.4 16.1,17 13.875,17 13.45,16.575 13.325,16.575 13.05,16.3 R19.2@13.05,16.175
RESETN: C6.1 C18.1 P3.4 R20.1 R22.2 U1.14 | length 76.3
  Top Layer w0.3: v1(-0.625,19) -0.375,19.25 -0.375,19.974 -0.199,20.15 4.519,20.15 4.521,20.148 5.077,20.148 6.525,18.7 6.525,18.65 6.75,18.425 R22.2@6.8,18.425 R20.1@8,18.425 C18.1@8,19.5 ; v1(6.05,2.8) 9.622,6.372 10.022,6.372 C6.1@10.1,6.45
  INT_SIG w0.3: v1(-0.625,19) -1.575,19.95 -4.1,19.95 -11.275,12.775 -11.275,-0.875 -2.975,-9.175 2,-9.175 6.05,-5.125 v1(6.05,2.8)
  Bottom Layer w0.3: v1(6.05,2.8) U1.14@6.05,4.15
SBG_GND: P1.1 Q5.3 Q6.3 | length 6.8
  Top Layer w0.5: Q6.3@-13.2,-17.5 Q5.3@-13.2,-15.1 -13.1,-15.1 -12.8,-14.8 P1.1@-8.875,-14.8
SBG_PWR: R27.1 U1.81 | length 16.3
  Bottom Layer w0.2: v1(-15.05,-12.15) -15.05,-9.825 -12.35,-7.125 U1.81@-2.2,-7.125
SBG_RS232_RX: P1.3 U6.13 | length 6.8
  Top Layer w0.3: U6.13@-11.3,-11.275 -9.2,-11.275 -6.625,-13.85 -6.625,-14.55 P1.3@-6.375,-14.8
SBG_RS232_TX: P1.2 U6.14 | length 5.2
  Top Layer w0.3: U6.14@-11.3,-11.925 -9.9,-11.925 -7.875,-13.95 -7.875,-14.55 P1.2@-7.625,-14.8
SBG_TX: R42.2 U1.79 U6.11 | length 55.3
  Top Layer w0.3: U6.11@-11.3,-9.975 v1(-9.775,-9.975)
  INT_SIG w0.2: v1(-9.775,-9.975) 4,-9.975 11.4,-2.575 11.4,13.45 10.625,14.225 10.625,15.25 v1(11.35,15.975)
  Bottom Layer w0.2: v1(-9.775,-9.975) -9.084,-9.284 -8.967,-9.284 -8.967,-9.357 -8.259,-9.357 -8.259,-7.51 -7.551,-7.51 -7.551,-8.125 U1.79@-2.2,-8.125
SD_ACT: D10.3 U10.1 | length 27.7
  Top Layer w0.2: U10.1@-1.128,13.711 v1(-1.128,14.918)
  INT_SIG w0.2: v1(-1.128,14.918) 0.504,16.55 16.033,16.55 cw(c16.033,14.758) 17.501,15.786 v1(21.3,9.95)
SD_CLK: R29.1 SD1.5 U1.29 U10.9 | length 38.1
  Top Layer w0.2: U10.9@-5.128,13.711 -5.127,13.713 v1(-5.125,14.918) v1(-5.125,14.918)
  Top Layer w0.3: v1(7.47,-0.45) 7.72,-0.7 7.72,-1.106 9.489,-2.875 R29.1@14.475,-2.875
  INT_SIG w0.2: v1(-5.125,14.918) -3.707,13.5 -0.8,13.5 7.47,5.23 v1(7.47,-0.45)
  Bottom Layer w0.2: v1(7.47,-0.45) 8.795,0.875 U1.29@13.3,0.875
SD_CMD: R30.1 SD1.3 U1.31 U10.11 | length 41.6
  Top Layer w0.2: v1@-7.024,12.399 U10.11@-5.941,12.399
  Top Layer w0.3: v1(5.27,-0.45) 5.52,-0.7 5.52,-1.106 8.495,-4.081 R30.1@14.475,-4.081
  INT_SIG w0.2: v1(-7.025,12.4) -6,11.375 -6,7.2 2.6,-1.4 4.32,-1.4 v1(5.27,-0.45)
  Bottom Layer w0.2: v1(5.27,-0.45) 5.97,-1.15 11.325,-1.15 12.35,-0.125 U1.31@13.3,-0.125
SD_DAT0: R31.1 SD1.7 U1.30 U10.5 | length 33.4
  Top Layer w0.2: v1(-3.25,14.918) -3.25,14.837 -3.128,14.715 U10.5@-3.128,13.711
  Top Layer w0.3: v1(9.67,-0.45) 9.92,-0.7 9.92,-1.52 10.1,-1.7 14.45,-1.7 R31.1@14.475,-1.675
  INT_SIG w0.2: v1(-3.25,14.918) -2.232,13.9 0.6,13.9 9.67,4.83 v1(9.67,-0.45)
  Bottom Layer w0.2: v1(9.67,-0.45) 10.495,0.375 U1.30@13.3,0.375
SD_DAT1: R32.1 SD1.8 U10.4 | length 27.5
  Top Layer w0.2: U10.4@-2.628,13.711 -2.628,14.737 -2.529,14.837 v1(-2.529,14.918)
  Top Layer w0.3: v1(10.77,-0.45) 10.795,-0.475 R32.1@14.475,-0.475
  INT_SIG w0.2: v1(-2.529,14.918) -1.912,14.3 0.9,14.3 10.77,4.43 v1(10.77,-0.45)
SD_DAT2: R56.1 SD1.1 U10.25 | length 24.4
  Top Layer w0.2: v1(-2.128,7.005) U10.25@-2.128,8.086
  Top Layer w0.3: v1(3.07,-0.45) 3.32,-0.7 3.32,-1.106 6.864,-4.65 13.889,-4.65 13.996,-4.757 14.002,-4.757 14.475,-5.231 R56.1@14.475,-5.281
  INT_SIG w0.2: v1(-2.128,7.005) -2.128,4.749 v1(3.07,-0.45)
SD_DAT3: SD1.2 U1.28 U10.23 | length 23
  Top Layer w0.2: U10.23@-3.128,8.086 -3.128,7.336 -2.825,7.033 v1(-2.825,7.005) v1@-2.825,6.975
  INT_SIG w0.2: v1(-2.825,7.005) -2.825,4.725 2.85,-0.95 3.67,-0.95 v1(4.17,-0.45)
  Bottom Layer w0.2: v1(4.17,-0.45) 5.995,1.375 U1.28@13.3,1.375
SD_nCD: R46.2 U10.26 | length 1.2
  Top Layer w0.2: U10.26@-1.628,8.086 -1.628,7.336 -1.375,7.083 v1(-1.375,7.005)
SD_PU_MOS: Q7.1 Q8.1 R34.1 R57.2 | length 2.3
  Top Layer w0.3: R57.2@-7.8,-3.8 -7.788,-3.788 -7.788,-2.613 R34.1@-7.775,-2.6 -7.75,-2.575 -6.775,-2.575 v1(-6.75,-2.55)
SD_PU_PWR: Q8.3 R29.2 R30.2 R31.2 R32.2 R56.2
  other v1: -5.3,-3.2
SD_PWR: C26.1 SD1.4 U12.6 U14.6 | length 16
  Top Layer w0.3: SD1.4@6.37,-0.452 6.62,-0.202 6.62,1.07 7.74,2.19 9.59,2.19 13.3,5.9 C26.1@13.3,6.45 ; C26.1@13.3,6.475 13.3,6.775 13.305,6.78 ; 13.305,6.775 13.305,6.78 ; U14.6@13.31,8.085 13.305,8.08 13.305,6.78 ; U12.6@15.81,8.085 15.8,8.075 15.8,7.3 15.487,6.987 13.512,6.987 13.305,6.78
SD_WP: R49.1 U10.30 | length 3.1
  Top Layer w0.2: U10.30@-0.316,9.899 0.226,9.899 1.25,8.875 1.25,8.2 R49.1@1.525,7.925
SWCLK: P3.3 U1.76 | length 41.2
  INT_SIG w0.3: v1(0.35,-8.325) 0.312,-8.287 0.312,-8.012 -9.075,1.375 -9.075,13.375 -4.55,17.9 -0.475,17.9 v1(0.625,19)
  Bottom Layer w0.3: U1.76@-2.2,-9.625 -0.154,-9.625 0.35,-9.121 v1(0.35,-8.325)
SWDIO: P3.2 U1.72 | length 41.5
  INT_SIG w0.3: v1(1.05,-8.225) 1.05,-8.182 -8.65,1.518 -8.65,13.225 -4.377,17.498 0.373,17.498 v1(1.875,19)
  Bottom Layer w0.3: U1.72@1.05,-11.35 v1(1.05,-8.225)
SWO: P3.1 U1.89 | length 37.9
  INT_SIG w0.3: v1(1.05,-3.125) -0.275,-3.125 -8.248,4.848 -8.248,13.052 -4.203,17.097 1.222,17.097 v1(3.125,19)
  Bottom Layer w0.3: U1.89@-2.2,-3.125 v1(1.05,-3.125)
UART3_TX: R25.1 R26.2 U1.78 | length 14
  Top Layer w0.3: R26.2@-13.95,-11.425 v1(-13.95,-10.225)
  Bottom Layer w0.2: v1(-13.95,-10.225) -13.525,-10.65 -9.125,-10.65 -7.1,-8.625 U1.78@-2.2,-8.625
USB_D_N: J5.2 U10.3 | length 13.8
  Top Layer w0.2: J5.2@-11.274,15.953 -11.347,15.953 -11.942,16.548 -11.942,16.713 -11.155,17.5 -4.325,17.5 -2.029,15.204 -2.029,14.142 -2.128,14.043 U10.3@-2.128,13.711
USB_D_P: J5.3 U10.2 | length 15.1
  Top Layer w0.2: J5.3@-11.793,15.562 -12.079,15.847 -12.079,16.258 -12.243,16.423 -12.243,16.838 -11.28,17.802 -4.2,17.802 -1.728,15.329 -1.728,14.142 -1.628,14.043 U10.2@-1.628,13.711
VBAT: C4.2 U1.6 | length 2.1
  Bottom Layer w0.3: U1.6@2.05,4.15 2.05,4.6 C4.2@2.05,6.25
VCC: J1.01 J1.02 J3.01 J3.02 R3.2 TP2.1 U3.6 U4.6 | length 23.8
  Top Layer w0.3: v2(-18.285,5.715) -18.28,5.72 -15.555,5.72 R3.2@-15.525,5.75
  Bottom Layer w0.3: v2(-18.285,5.715) -15.965,5.715 -14.625,4.375 -10.15,4.375 -9.027,3.252 -9.027,1.812 -9.759,1.08 U3.6@-10.097,1.08 -10.435,1.08 -11.175,0.34 -11.175,-0.874 -10.999,-1.05 -9.825,-1.05 -8.95,-1.925 -8.95,-3.186 -9.709,-3.945 U4.6@-10.047,-3.945
  other v2: -21.715,5.715
VCC_SENSE: R3.1 R7.2 U1.15 | length 1.2
  Top Layer w0.3: v1(-14.25,5.725) -14.25,6.925 R7.2@-14.225,6.95
VDD18: C35.1 U10.13 | length 3
  Top Layer w0.2: C35.1@-8.65,12.125 -8.65,12.075 -7.974,11.399 U10.13@-5.941,11.399
VDD18PLL: C36.1 U10.34 | length 4.3
  Top Layer w0.2: U10.34@-0.316,11.899 1.009,11.899 3.084,13.974 C36.1@3.134,13.974
VDD33: C31.1 C32.2 C33.2 C34.2 C41.1 C42.2 R34.2 R45.2 R48.2 R49.2 U10.6 U10.14 U10.22 U11.5 U12.3 U13.8 | length 18.1
  Top Layer w0.2: v1(-7.029,10.886) -5.953,10.886 U10.14@-5.941,10.899 ; v1(-4.17,14.918) -3.628,14.376 U10.6@-3.628,13.711 ; v1(-3.628,7.005) U10.22@-3.628,8.086
  Top Layer w0.3: v1(-10.05,8.775) -9.504,8.775 -8.75,8.02 -8.75,6.55 -9.529,5.771 -9.529,-2.096 -9.3,-2.325 -9.225,-2.325 -9.025,-2.525 R34.2@-9.025,-2.6 ; v1(2.1,9.35) 2.825,8.625 R49.2@2.825,7.925
  other v1: 14.51,10.005 8.6,11.795 4.95,14.875
VDDA33: C37.2 U10.36 | length 1
  Top Layer w0.2: U10.36@-0.316,12.899 v1(0.709,12.899)
X_IN: C13.2 U1.12 Y1.3 | length 8
  Bottom Layer w0.3: U1.12@5.05,4.15 5.05,4.843 5.857,5.65 6.806,5.65 7.2,6.044 7.2,7.396 6.675,7.921 6.675,7.925 6.3,8.3 Y1.3@6.175,8.3 ; Y1.3@6.05,8.425 C13.2@6.05,10.375
X_OUT: C14.2 U1.13 Y1.1 | length 6.1
  Bottom Layer w0.3: U1.13@5.55,4.15 5.55,4.775 5.875,5.1 6.9,5.1 8.35,6.55 Y1.1@8.475,6.55 8.5,6.525 C14.2@10.275,6.525
XIN_32: C19.1 U1.8 Y2.1 | length 6.8
  Bottom Layer w0.3: C19.1@2.225,10.475 2.425,10.475 2.912,9.988 Y2.1@2.912,8.575 2.912,6.446 3.05,6.309 U1.8@3.05,4.15
XOUT_32: C20.1 U1.9 Y2.2 | length 6.8
  Bottom Layer w0.3: U1.9@3.55,4.15 3.55,6.284 3.737,6.471 Y2.2@3.737,8.575 3.737,10.038 4.175,10.475 C20.1@4.375,10.475
XTAL1: C44.2 R54.1 U10.33 Y3.3 | length 6.3
  Top Layer w0.2: U10.33@-0.316,11.399 2.134,11.399 2.459,11.724 R54.1@2.584,11.724
  Top Layer w0.3: R54.1@2.584,11.599 Y3.3@4.234,11.599 4.534,11.899 C44.2@4.534,13.074
XTAL2: C43.2 R54.2 U10.32 Y3.1 | length 8.4
  Top Layer w0.2: U10.32@-0.316,10.899 2.084,10.899 2.409,10.574 R54.2@2.409,10.474
  Top Layer w0.3: R54.2@2.409,10.474 R54.2@2.559,10.474 4.859,10.474 5.834,9.499 Y3.1@5.834,9.399 5.634,9.199 C43.2@5.634,7.924
pads on no net: D1.2 J1. J2. J3. J4. J5.4 U1. U1.1 U1.2 U1.3 U1.4 U1.5 U1.7 U1.16 U1.17 U1.18 U1.22 U1.25 U1.33 U1.36 U1.37 U1.38 U1.39 U1.40 U1.41 U1.42 U1.43 U1.44 U1.45 U1.46 U1.47 U1.53 U1.54 U1.55 U1.56 U1.57 U1.58 U1.61 U1.62 U1.63 U1.64 U1.65 U1.66 U1.67 U1.68 U1.69 U1.77 U1.80 U1.82 U1.83 U1.84 U1.85 U1.86 U1.87 U1.88 U1.90 U1.91 U1.92 U1.93 U1.94 U1.95 U1.96 U1.97 U1.98 U2.5 U2.8 U3.5 U4.5 U5.5 U5.8 U6.7 U6.9 U7.5 U7.8 U8.1 U8.3 U8.7 U8.8 U8.9 U8.10 U8.15 U8.16 U9.1 U9.3 U9.4 U9.5 U9.6 U9.10 U9.15 U9.16 U10.7 U10.8 U10.10 U10.12 U10.15 U10.16 U10.17 U10.19 U10.20 U10.24 U10.29 U11.4 U12.4 U13.1 U14.4

## Polygon pours and split planes (outlines as drawn)
GND on Top Layer "GND_L01_P022" (solid, pour order 22): -15.888,-19.298 ccw(c-13.96,-17) -13.96,-20 13.96,-20 ccw(c13.96,-17) 15.888,-19.298 15.89,-19.3 ccw(c0,0) 15.15,19.887 ccw(c0,0) -21.933,11.998 ccw(c0,0)
VDD33 on Top Layer "VDD33_L01_P020" (solid, pour order 20): 9.375,12.095 9.375,11.495 8.525,10.7 8.525,8.65 7.775,8.65 7.775,10.7 7.825,11.495 7.825,12.095
5V_USB on Top Layer "5V_USB_L01_P017" (solid, pour order 17): -13.25,12.575 -13.25,11.675 -13.55,10.95 -12.8,10.95 -12.45,11.675 -12.45,12.575
5V_USB on Top Layer "5V_USB_L01_P016" (solid, pour order 16): -15.354,10.478 -15.354,9.172 -14.296,9.172 -13.343,8.467 -11.598,8.467 -11.598,9.083 -12.8,10.1 -12.8,10.95 -13.55,10.95 -14.296,10.478
5V_PRE_SHUNT on Top Layer "5V_PRE_SHUNT_L01_P013" (solid, pour order 13): -23.175,4.815 -23.175,2.805 -16.825,2.805 -15.025,3.215 -15.025,4.365 -16.825,4.815
3V3_PRE_SHUNT on Top Layer "3V3_PRE_SHUNT_L01_P012" (solid, pour order 12): -23.175,1.005 -23.175,-1.005 -16.825,-1.005 -15.022,-0.545 -15.022,0.605 -16.825,1.005
NetQ3_1 on Top Layer "NETQ3_1_L01_P007" (solid, pour order 7): -9.275,0.568 -9.275,-1.082 -8.775,-1.082 -7.75,-0.432 -7.25,-0.432 -7.25,1.218 -7.75,1.218 -8.775,0.568
3V3_POST_SHUNT on Top Layer "3V3_POST_SHUNT_L01_P003" (solid, pour order 3): -13.825,0.605 -12.075,1.243 -11.8,1.293 -9.795,1.293 -9.795,-1.157 -11.75,-1.157 -11.775,-1.157 -12.113,-1.107 -13.825,-0.545
NetQ1_1 on Top Layer "NETQ1_1_L01_P004" (solid, pour order 4): -9.277,4.328 -9.277,2.678 -8.777,2.678 -7.752,3.328 -7.252,3.328 -7.252,4.978 -7.752,4.978 -8.777,4.328
5V_POST_SHUNT on Top Layer "5V_POST_SHUNT_L01_P002" (solid, pour order 2): -13.828,4.365 -12.077,5.003 -11.802,5.053 -9.797,5.053 -9.797,2.603 -11.752,2.603 -11.777,2.603 -12.115,2.653 -13.828,3.215
VDD33 on PWR "VDD33_L05_P019" (solid, pour order 19): -21.933,11.998 cw(c0,0) 15.15,19.887 15.15,19.9 15.15,6 -15.25,6 -15.25,12
3V3 on PWR "3V3_L05_P018" (solid, pour order 18): -15.89,-19.3 cw(c0,0) -21.933,11.998 -21.93,12 -15.25,12 -15.25,6 15.15,6 15.15,19.9 15.15,19.887 cw(c0,0) 15.89,-19.3 15.888,-19.298 cw(c13.96,-17) 13.96,-20 -13.96,-20 cw(c-13.96,-17)
PYRO_PWR on PWR "PYRO_PWR_L05_P011" (solid, pour order 11): 16.825,6.085 23.175,6.085 23.175,1.535 16.825,1.535
5V_PRE_SHUNT on PWR "5V_PRE_SHUNT_L05_P009" (solid, pour order 9): -23.175,4.815 -16.825,4.815 -16.825,2.805 -23.175,2.805
VCC on PWR "VCC_L05_P008" (solid, pour order 8): -23.175,6.085 -16.825,6.085 -16.825,5.345 -23.175,5.345
3V3_PRE_SHUNT on PWR "3V3_PRE_SHUNT_L05_P010" (solid, pour order 10): -23.175,1.005 -16.825,1.005 -16.825,-1.005 -23.175,-1.005
GND on Bottom Layer "GND_L06_P026" (solid, pour order 26): -15.888,-19.298 ccw(c-13.96,-17) -13.96,-20 13.96,-20 ccw(c13.96,-17) 15.888,-19.298 15.89,-19.3 ccw(c0,0) 15.15,19.887 ccw(c0,0) -21.933,11.998 ccw(c0,0)
3V3 on Bottom Layer "3V3_L06_P021" (solid, pour order 21): 9.7,4.75 9.7,3.55 8.9,3.55 8.9,4.75
GND on GND 1 "GND_L02_P023" (solid, pour order 23): -15.888,-19.298 ccw(c-13.96,-17) -13.96,-20 13.96,-20 ccw(c13.96,-17) 15.888,-19.298 15.89,-19.3 ccw(c0,0) 15.15,19.887 ccw(c0,0) -21.933,11.998 ccw(c0,0)
GND on INT_SIG "GND_L03_P024" (solid, pour order 24): -15.888,-19.298 ccw(c-13.96,-17) -13.96,-20 13.96,-20 ccw(c13.96,-17) 15.888,-19.298 15.89,-19.3 ccw(c0,0) 15.15,19.887 ccw(c0,0) -21.933,11.998 ccw(c0,0)
GND on GND 2 "GND_L04_P025" (solid, pour order 25): -15.888,-19.298 ccw(c-13.96,-17) -13.96,-20 13.96,-20 ccw(c13.96,-17) 15.888,-19.298 15.89,-19.3 ccw(c0,0) 15.15,19.887 ccw(c0,0) -21.933,11.998 ccw(c0,0)

## Silkscreen, mask and mechanical layers (free items; w line width, h text height)
Top Overlay:
  region: 980 vertices and 2 holes, not listed, extent 14.33,-15.265 19.53,-8.999
  text "DBG" at 7.15,23.149 h0.75 r270
  text "DBG" at -7.15,21.15 h0.75 r90
  text "RST" at 9.05,20.95 h0.75
  text "PWR" at 11.65,19.45 h0.75
  text "MCU" at 15.15,16.55 h0.75
  text "SD Reader" at -6.625,15.625 h0.75
  text "SBG" at 17.15,13.55 h0.75
  text "CAN_0" at -20.45,12.625 h0.75
  text "SD" at 19.15,10.55 h0.75
  text "SBG / Transceiver" at -13.073,-7.825 h0.75
  text "CAN_1" at -21.025,-9.25 h0.75
  text "HYDRA_V3_NAV_TEMP" at 0.15,-11.725 h0.75
  text "Designed by Serban" at 0.1,-12.733 h0.5
  text "C0_HI" at -47.958,-17.783 h0.5
  text "5V_OC" at -43.208,-17.788 h0.5
  text "CAN Status: / GR - RX / RD - TX" at 11.625,-18.725 h0.5
  text "C0_LO" at -48.042,-19.058 h0.5
  text "3V3_OC" at -43.458,-19.058 h0.5
  text "C1_HI" at -47.917,-20.328 h0.5
  text "GND" at -42.709,-20.37 h0.5
  text "C1_LO" at -48,-21.598 h0.5
Bottom Overlay:
  text "CAN_2" at 10.55,-18.475 h0.75
Mechanical 1:
  lines w0.1: -21.93,12 -15.25,12 -15.25,6 15.15,6 15.15,19.9 ; -15.89,-19.3 cw(c0,0) -21.933,11.998 cw(c0,0) 15.15,19.887 cw(c0,0) 15.89,-19.3 ; -13.96,-20 cw(c-13.96,-17) -15.888,-19.298 ccw(c-13.96,-17) -13.96,-20 ; -13.96,-20 13.96,-20 ; 13.96,-20 ccw(c13.96,-17) 15.888,-19.298 cw(c13.96,-17) 13.96,-20

## Text inside footprints (layer, text, board x,y; h text height)
J5: Mechanical 1 "PCB EDGE" at -32.5,22.5 h1 r217